# KiCad board ISA adapter.kicad_pcb
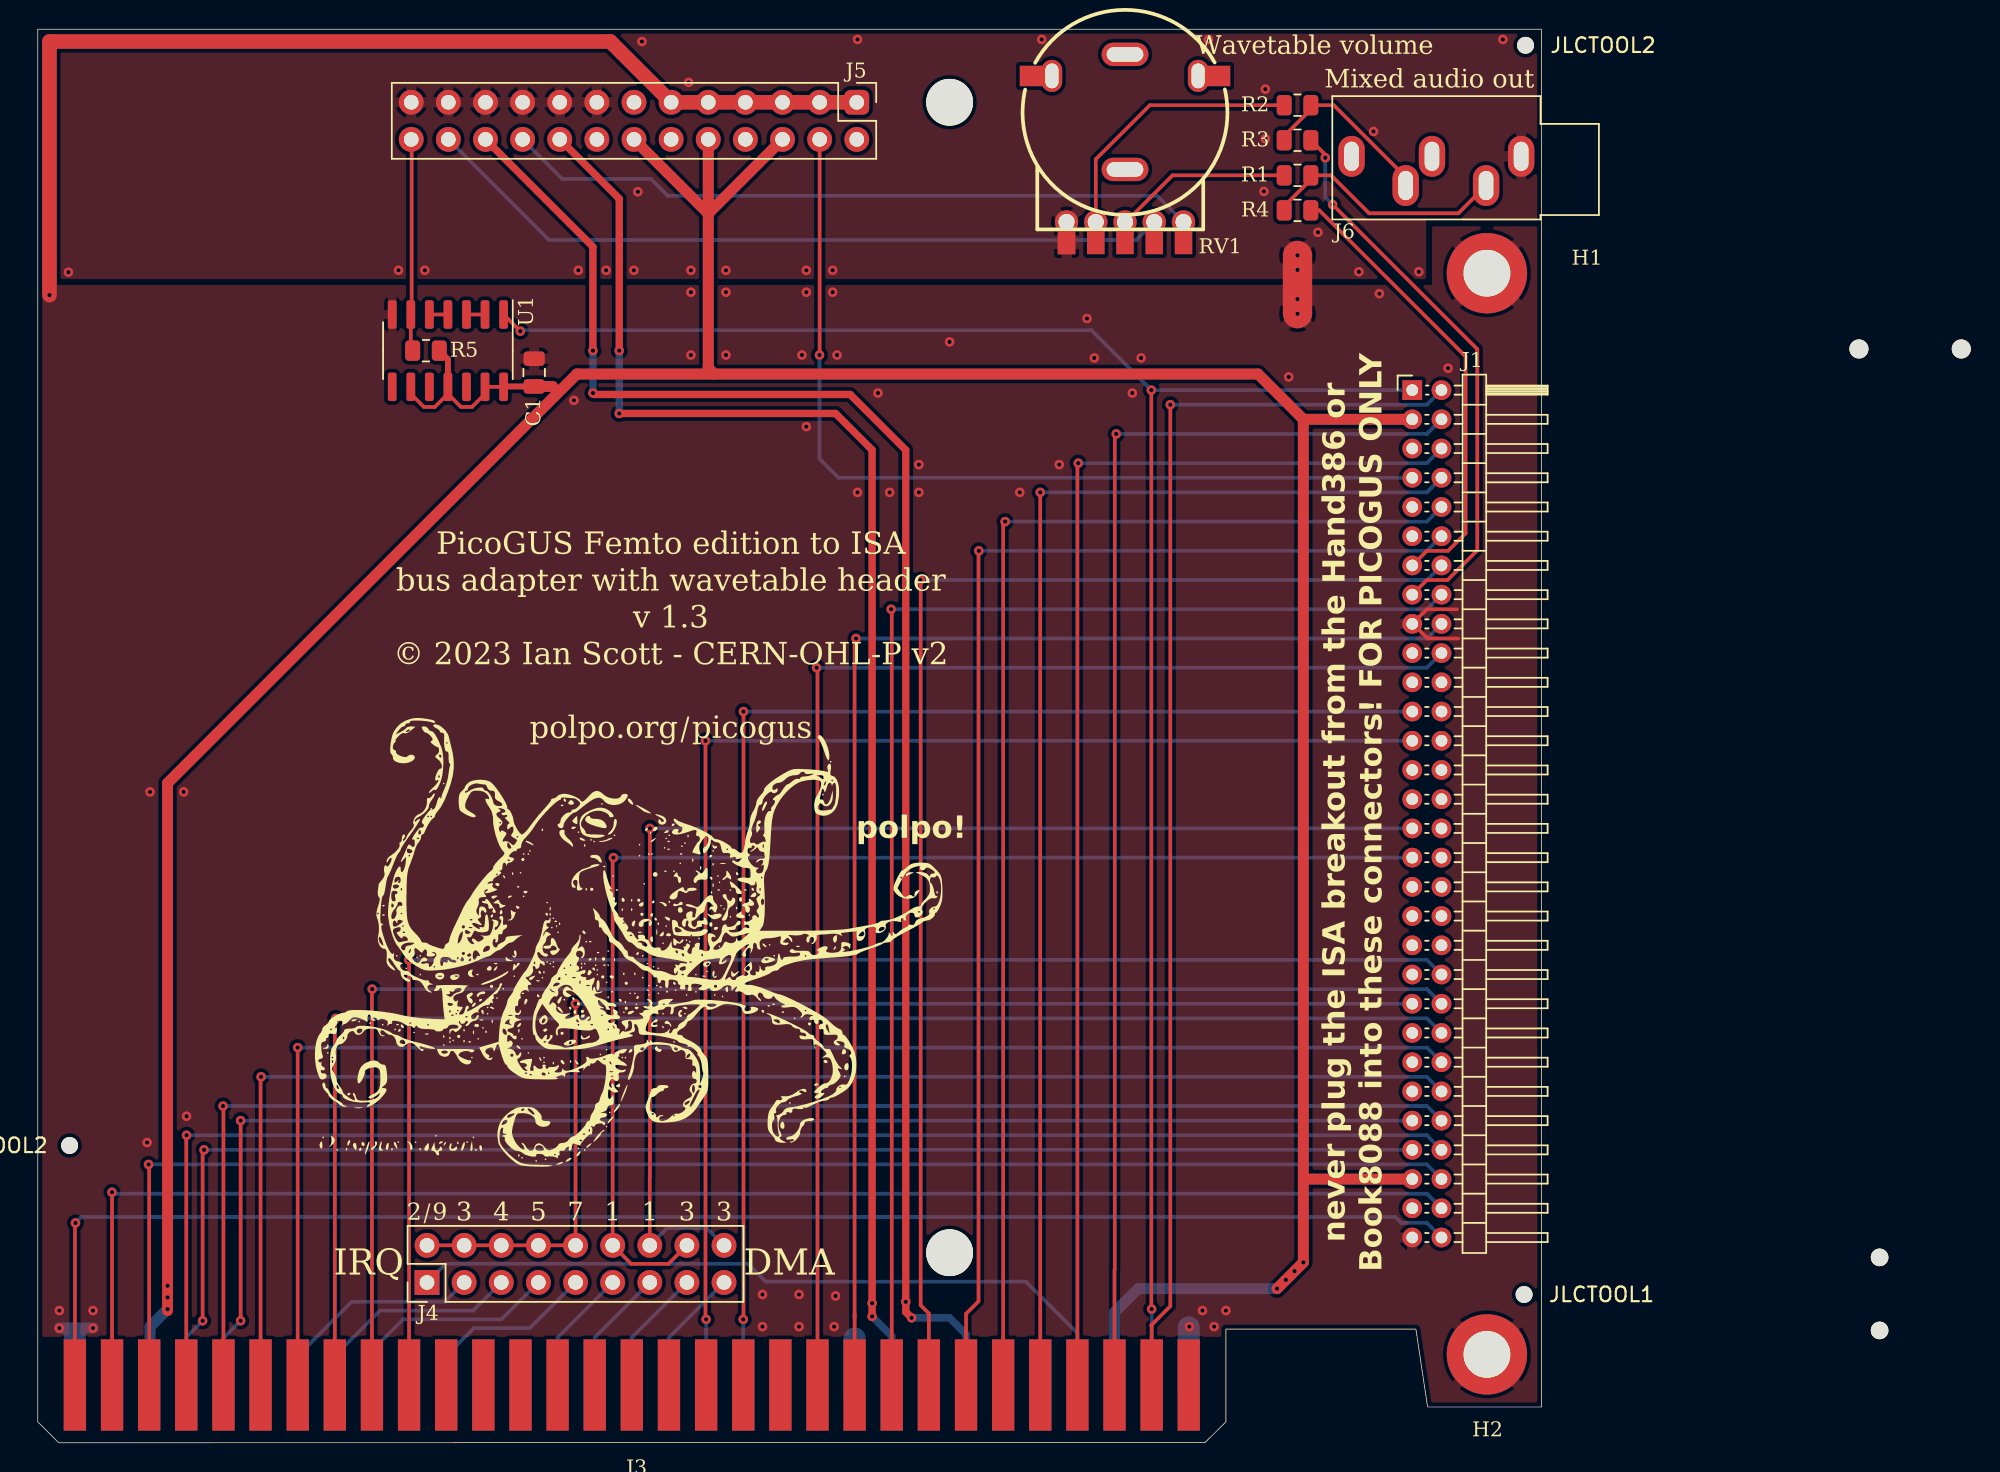
[diagram p0: board, top side]
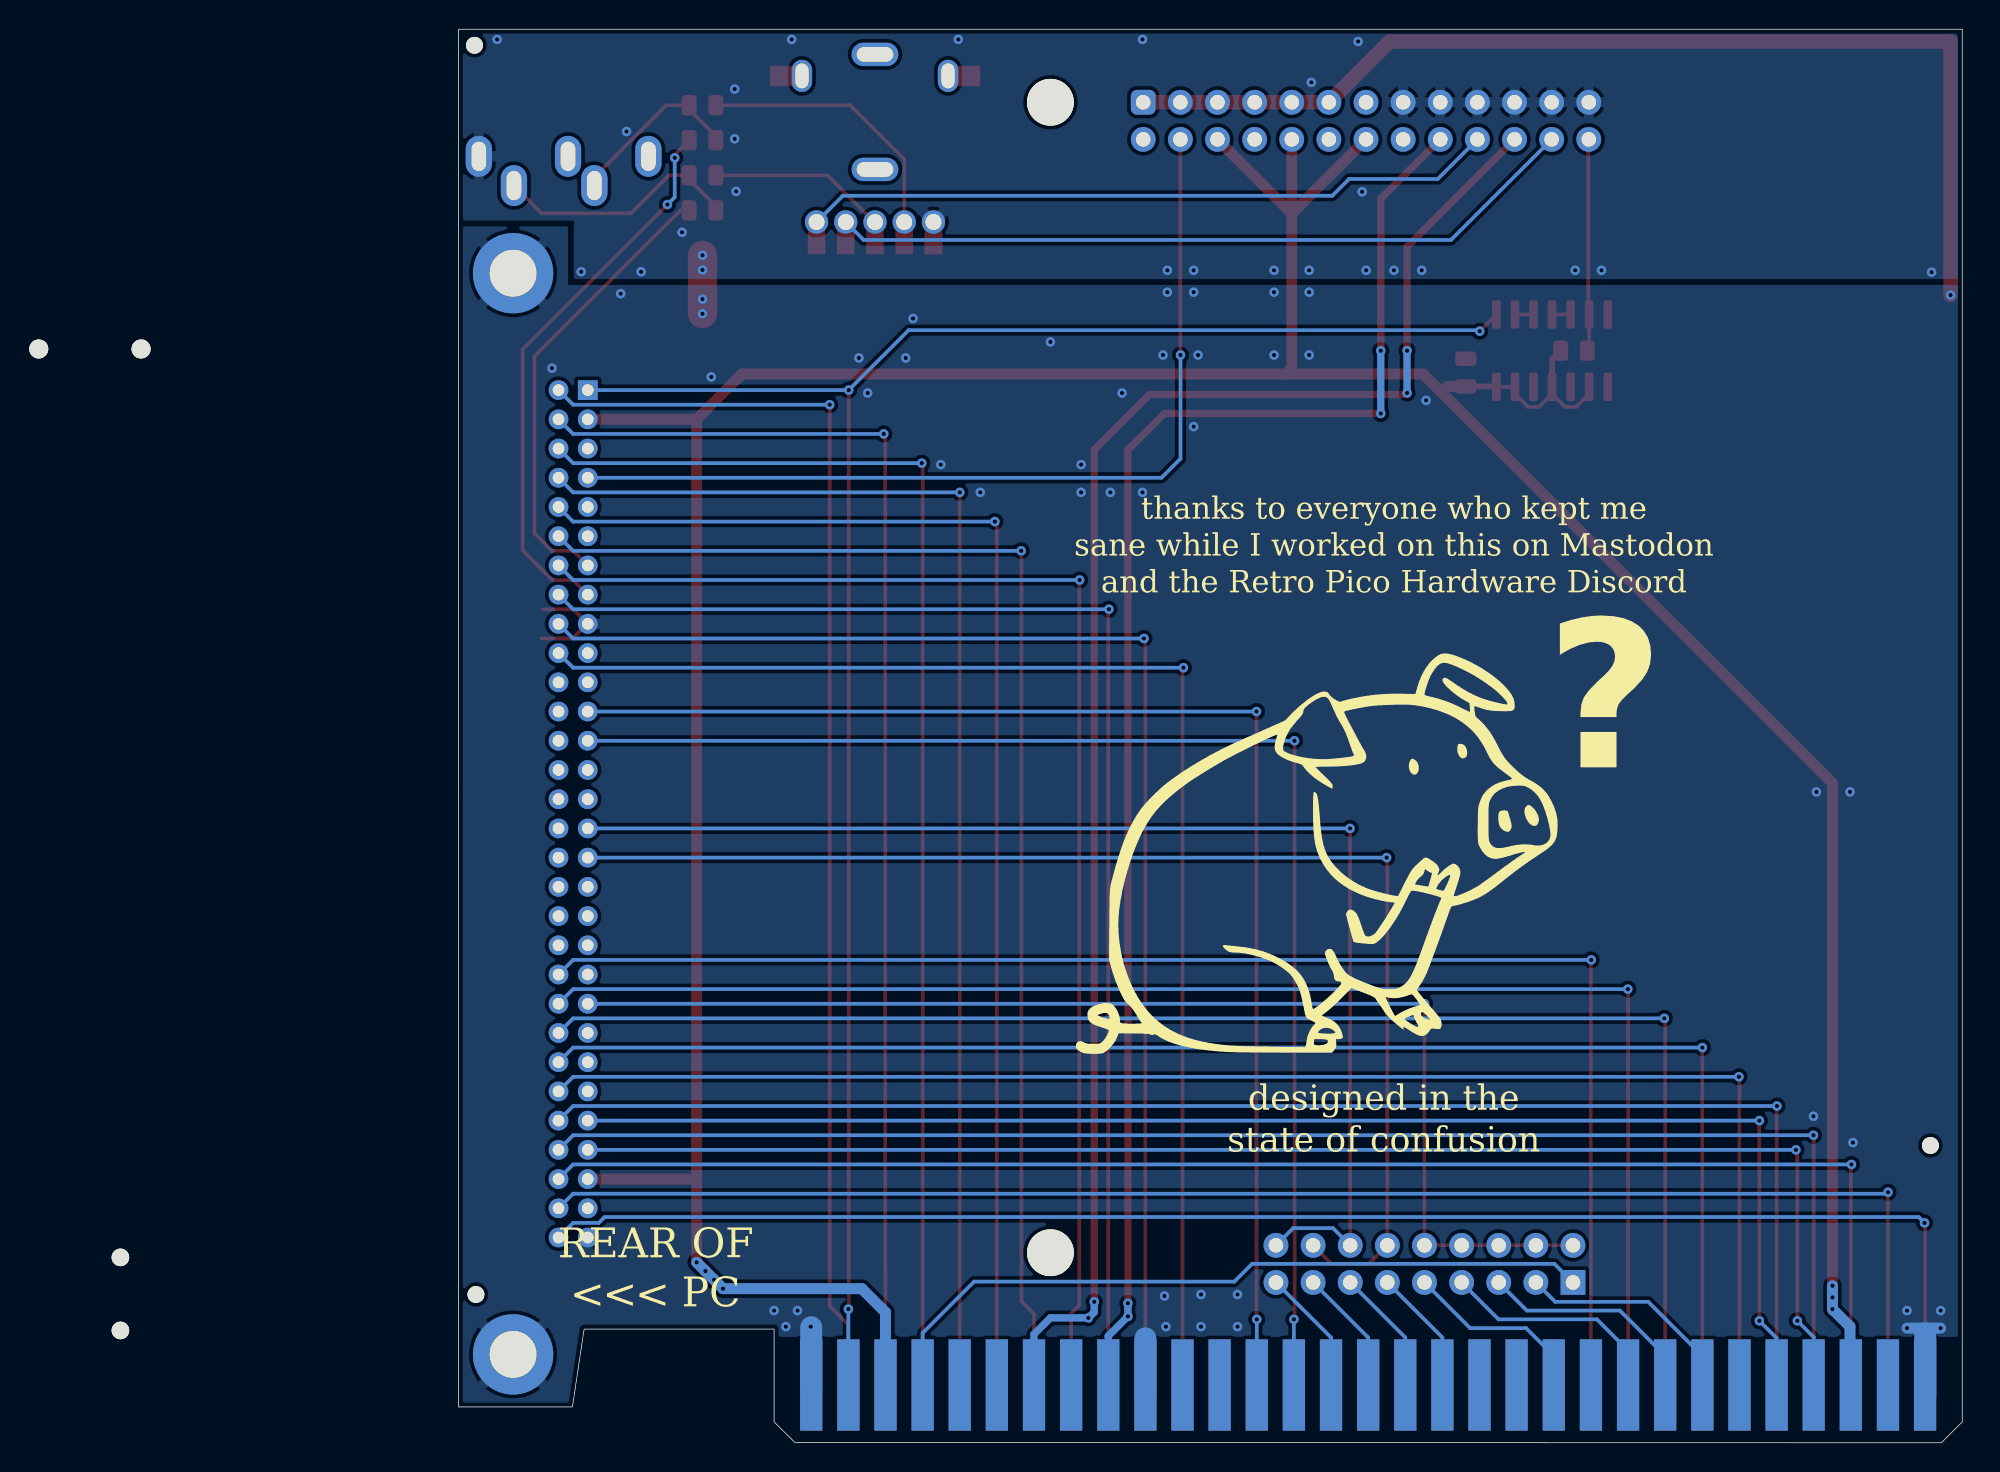
[diagram p1: board, bottom side, seen from below]

Outline 102.88 x 96.75 mm; copper layers: Top, Bottom. Coordinates in mm from the lower left corner of the outline.
Outline path: 102.88,2.45 95.08,2.45 94.28,7.78 81.28,7.78 81.28,1.43 79.85,0.02 1.43,0 0,1.43 0,7.78 0,16.35 0,96.75 102.87,96.75 closed
Stack: Top 0.035mm / dielectric 1.51mm FR4 er 4.5 / Bottom 0.035mm

## Placement (name value [footprint] x y rotation side)
C1  100nF  [C_0805_2012Metric]  33.96 73.25 90 top
H1  MountingHole_3.2mm_M3_Pad  [MountingHole_3.2mm_M3_ISO14580_Pad]  99.14 80.05 0 top
H2  MountingHole_3.2mm_M3_Pad  [MountingHole_3.2mm_M3_ISO14580_Pad]  99.14 6.05 0 top
J1  Conn_02x30_Odd_Even  [Hand386_PicoGUS]  94.03 72.05 0 top
J3  Bus_ISA_8bit  [BUS_PC]  40.64 4.03 0 top
J4  IRQDMA_JP  [PinHeader_2x09_P2.54mm_Vertical]  26.63 10.97 90 top
J5  -  [Wavetable]  56.03 91.65 0 top
J6  AudioJack3  [Jack_3.5mm_CUI_SJ1-3535NG_Horizontal]  101.48 88.05 270 top
JLCTOOL1  -  [JLCPCB-tooling]  101.68 10.15 0 top
JLCTOOL2  -  [JLCPCB-tooling]  101.78 95.65 0 top
JLCTOOL2#2  -  [JLCPCB-tooling]  2.18 20.35 0 top
NT1  NetTie_2  [NetTie-2_SMD_Pad2.0mm]  86.18 79.27 90 top
R1  1K  [R_0805_2012Metric]  86.18 86.75 0 top
R2  1K  [R_0805_2012Metric]  86.18 91.55 0 top
R3  1K  [R_0805_2012Metric]  86.18 89.15 0 top
R4  1K  [R_0805_2012Metric]  86.18 84.35 0 top
R5  bodge  [R_0805_2012Metric]  26.56 74.75 0 top
RV1  10K  [RK10J12R0A0B]  74.38 91.09 0 top
U1  74HC14  [SOIC-14_3.9x8.7mm_P1.27mm]  28.06 74.75 270 top

## Library data of the parts
C1 = -: ki_fp_filters: C_*
H1 H2 = -: ki_fp_filters: MountingHole*Pad*
J1 J4 J5 = -: ki_fp_filters: Connector*:*_2x??_*
J3 = -: Datasheet: https://en.wikipedia.org/wiki/Industry_Standard_Architecture
J6 = -: ki_fp_filters: Jack*
NT1 = -: Description: Net tie, 2 pins
R1-R4 = -: ki_fp_filters: R_*
RV1 = -: ki_fp_filters: Potentiometer*
U1 = -: Datasheet: http://www.ti.com/lit/gpn/sn74HC14; ki_fp_filters: DIP*W7.62mm*

## Footprints (pads in the part's own frame, mm; a bottom-side part is the same pattern mirrored in y, then rotated)
BUS_PC
  rect 1.524x6.248 smd far side: 1(38.1,-0.076) 2(35.56,-0.076) 3(33.02,-0.076) 4(30.48,-0.076) 5(27.94,-0.076) 6(25.4,-0.076) 7(22.86,-0.076) 8(20.32,-0.076) 9(17.78,-0.076) 10(15.24,-0.076) 11(12.7,-0.076) 12(10.16,-0.076) 13(7.62,-0.076) 14(5.08,-0.076) 15(2.54,-0.076) 16(0,-0.076) 17(-2.54,-0.076) 18(-5.08,-0.076) 19(-7.62,-0.076) 20(-10.16,-0.076) 21(-12.7,-0.076) 22(-15.24,-0.076) 23(-17.78,-0.076) 24(-20.32,-0.076) 25(-22.86,-0.076) 26(-25.4,-0.076) 27(-27.94,-0.076) 28(-30.48,-0.076) 29(-33.02,-0.076) 30(-35.56,-0.076) 31(-38.1,-0.076)
  rect 1.524x6.248 smd: 32(38.1,-0.076) 33(35.56,-0.076) 34(33.02,-0.076) 35(30.48,-0.076) 36(27.94,-0.076) 37(25.4,-0.076) 38(22.86,-0.076) 39(20.32,-0.076) 40(17.78,-0.076) 41(15.24,-0.076) 42(12.7,-0.076) 43(10.16,-0.076) 44(7.62,-0.076) 45(5.08,-0.076) 46(2.54,-0.076) 47(0,-0.076) 48(-2.54,-0.076) 49(-5.08,-0.076) 50(-7.62,-0.076) 51(-10.16,-0.076) 52(-12.7,-0.076) 53(-15.24,-0.076) 54(-17.78,-0.076) 55(-20.32,-0.076) 56(-22.86,-0.076) 57(-25.4,-0.076) 58(-27.94,-0.076) 59(-30.48,-0.076) 60(-33.02,-0.076) 61(-35.56,-0.076) 62(-38.1,-0.076)
C_0805_2012Metric
  rrect 1x1.45 smd: 1(-0.95,0) 2(0.95,0)
Hand386_PicoGUS
  round 1.3 hole 1.3 unplated: (30.558,2.815) (37.558,2.815)
  round 1.2 hole 1.2 unplated: (31.971,-59.36) (31.971,-64.36)
  rect 1.35x1.35 hole 0.8: 1(0,0)
  oval 1.35x1.35 hole 0.8: 2(2,0) 3(0,-2) 4(2,-2) 5(0,-4) 6(2,-4) 7(0,-6) 8(2,-6) 9(0,-8) 10(2,-8) 11(0,-10) 12(2,-10) 13(0,-12) 14(2,-12) 15(0,-14) 16(2,-14) 17(0,-16) 18(2,-16) 19(0,-18) 20(2,-18) 21(0,-20) 22(2,-20) 23(0,-22) 24(2,-22) 25(0,-24) 26(2,-24) 27(0,-26) 28(2,-26) 29(0,-28) 30(2,-28) 31(0,-30) 32(2,-30) 33(0,-32) 34(2,-32) 35(0,-34) 36(2,-34) 37(0,-36) 38(2,-36) 39(0,-38) 40(2,-38) 41(0,-40) 42(2,-40) 43(0,-42) 44(2,-42) 45(0,-44) 46(2,-44) 47(0,-46) 48(2,-46) 49(0,-48) 50(2,-48) 51(0,-50) 52(2,-50) 53(0,-52) 54(2,-52) 55(0,-54) 56(2,-54) 57(0,-56) 58(2,-56) 59(0,-58) 60(2,-58)
Jack_3.5mm_CUI_SJ1-3535NG_Horizontal
  oval 2.8x1.8 hole 2x1: R(2,-7.9) RN(0,-6.1) S(0,0) T(2,-2.4) TN(0,-11.6)
JLCPCB-tooling
  round 1.3 hole 1.152 unplated: (0,0)
MountingHole_3.2mm_M3_ISO14580_Pad
  round 5.5 hole 3.2: 1(0,0)
NetTie-2_SMD_Pad2.0mm
  round 2 smd: 1(-2,0) 2(2,0)
PinHeader_2x09_P2.54mm_Vertical
  rect 1.7x1.7 hole 1: 1(0,0)
  oval 1.7x1.7 hole 1: 2(2.54,0) 3(0,-2.54) 4(2.54,-2.54) 5(0,-5.08) 6(2.54,-5.08) 7(0,-7.62) 8(2.54,-7.62) 9(0,-10.16) 10(2.54,-10.16) 11(0,-12.7) 12(2.54,-12.7) 13(0,-15.24) 14(2.54,-15.24) 15(0,-17.78) 16(2.54,-17.78) 17(0,-20.32) 18(2.54,-20.32)
R_0805_2012Metric
  rrect 1.025x1.4 smd: 1(-0.912,0) 2(0.912,0)
RK10J12R0A0B
  round 1.6 hole 1.1: 1(2,-7.536) 2(0,-7.536) 3(-4,-7.536) 4(4,-7.536) 5(-2,-7.536)
  rect 1.2x1.868 smd: 1(2,-8.808) 3(-4,-8.808) 5(-2,-8.808)
  rect 1.2x1.842 smd: 2(0,-8.821)
  rect 1.2x1.893 smd: 4(4,-8.795)
  rect 1.2x1.4 smd: 6(-4,-9.042)
  rect 2.2x1.4 smd: MP(-6.1,2.458) MP(6.1,2.458)
  oval 1.4x2.2 hole 0.9x1.7: MP(-5,2.464) MP(5,2.464)
  oval 3.2x1.6 hole 2.5x1: MP(0,3.937) MP(0,-3.937)
SOIC-14_3.9x8.7mm_P1.27mm
  rrect 1.95x0.6 smd: 1(-2.475,3.81) 2(-2.475,2.54) 3(-2.475,1.27) 4(-2.475,0) 5(-2.475,-1.27) 6(-2.475,-2.54) 7(-2.475,-3.81) 8(2.475,-3.81) 9(2.475,-2.54) 10(2.475,-1.27) 11(2.475,0) 12(2.475,1.27) 13(2.475,2.54) 14(2.475,3.81)
Wavetable
  round 3.2 hole 3.2 unplated: (6.35,0.097) (6.35,-78.643)
  rrect 1.7x1.7 hole 1: 1(0,0.097)
  oval 1.7x1.7 hole 1: 2(0,-2.443) 3(-2.54,0.097) 4(-2.54,-2.443) 5(-5.08,0.097) 6(-5.08,-2.443) 7(-7.62,0.097) 8(-7.62,-2.443) 9(-10.16,0.097) 10(-10.16,-2.443) 11(-12.7,0.097) 12(-12.7,-2.443) 13(-15.24,0.097) 14(-15.24,-2.443) 15(-17.78,0.097) 16(-17.78,-2.443) 17(-20.32,0.097) 18(-20.32,-2.443) 19(-22.86,0.097) 20(-22.86,-2.443) 21(-25.4,0.097) 22(-25.4,-2.443) 23(-27.94,0.097) 24(-27.94,-2.443) 25(-30.48,0.097) 26(-30.48,-2.443)

## Nets
+5V: C1.1 J1.3 J1.55 J3.3 J3.29 J5.6 J5.10 J5.14 R5.2 U1.9 U1.11 U1.13 U1.14
+12V: J3.9 J5.18
-12V: J3.7 J5.22
GND: C1.2 H1.1 H2.1 J1.17 J1.59 J3.1 J3.10 J3.31 J5.1 J5.3 J5.5 J5.7 J5.9 J5.11 NT1.1 U1.7
GNDS: J5.15 J5.17 J5.19 J5.21 J5.23 J5.25 J6.S NT1.2 RV1.3 RV1.6
/ALE: J1.53 J3.28
A0: J1.60 J3.62
A1: J1.58 J3.61
A2: J1.56 J3.60
A3: J1.54 J3.59
A4: J1.52 J3.58
A5: J1.50 J3.57
A6: J1.48 J3.56
A7: J1.46 J3.55
A8: J1.44 J3.54
A9: J1.42 J3.53
AEN: J1.20 J3.42
D0: J1.16 J3.40
D1: J1.14 J3.39
D2: J1.12 J3.38
D3: J1.10 J3.37
D4: J1.8 J3.36
D5: J1.6 J3.35
D6: J1.4 J3.34
D7: J1.2 J3.33
DACK: J1.31 J4.14 J4.18
DACK1: J3.17 J4.13
DACK3: J3.15 J4.17
DRQ: J1.33 J4.12 J4.16
DRQ1: J3.18 J4.11
DRQ3: J3.16 J4.15
I/OCHRDY: J1.18 J3.41
IRQ: J1.43 J4.2 J4.4 J4.6 J4.8 J4.10
IRQ2: J3.4 J4.1
IRQ3: J3.25 J4.3
IRQ4: J3.24 J4.5
IRQ5: J3.23 J4.7
IRQ7: J3.21 J4.9
MIDI_TTL: J1.7 J5.4
PGAUDIO_L: J1.13 R4.2
PGAUDIO_R: J1.15 R3.2
RESET: J1.1 J3.2 U1.1
TC: J1.51 J3.27
WTAUDIO_L: J5.24 RV1.1
WTAUDIO_R: J5.20 RV1.4
~{IOR}: J1.25 J3.14
~{IOW}: J1.23 J3.13
~{RESET}: J5.26 R5.1 U1.6
Net-(J6-PadR): J6.R R2.2 R3.1
Net-(J6-PadT): J6.T R1.2 R4.1
Net-(R1-Pad1): R1.1 RV1.2
Net-(R2-Pad1): R2.1 RV1.5
Net-(U1-Pad2): U1.2 U1.3
Net-(U1-Pad4): U1.4 U1.5

Pads without a net: J1 5 9 11 19 21 22 24 26 27 28 29 30 32 34 35 36 37 38 39 40 41 45 47 49 57; J3 5 6 8 11 12 19 20 22 26 30 32 43 44 45 46 47 48 49 50 51 52; J5 2 8 12 13 16; J6 RN TN; RV1 MP; U1 8 10 12

## Via types
v1: diameter 0.65, hole 0.3, Top to Bottom, 124 vias

## Routing (per net, layer and track width the routed paths; a pad name or vN(x,y) marks a point on that pad's centre or on a via; arc(x,y) is an arc through that point)
+5V: length 273.1
  Top w0.25: 25.52,71.79 26.41,70.9 27.17,70.9 28.06,71.79 28.95,70.9 29.71,70.9 30.6,71.79 ; U1.13 U1.14
  Top w0.4: U1.11 28.06,74.16 R5.2 ; C1.1 31.89,72.3
  Top w0.75: J5.10 45.87,73.56 46.28,73.15 ; 46.28,73.15 36.88,73.15 8.88,45.15 8.88,9.05 ; 46.28,73.15 83.48,73.15 86.58,70.05 ; 86.6,18.05 93.95,18.05 ; 35.23,72.3 C1.1 ; J5.14 45.87,84.13 J5.6 ; 86.58,70.05 v1(86.58,12.35) v1(84.78,10.55) ; 86.58,70.05 J1.3
  Bottom w0.75: 7.68,4.01 7.68,7.95 v1(8.88,9.15) v1(8.88,10.75) ; v1(86.58,12.35) v1(85.98,11.75) v1(85.38,11.15) v1(84.78,10.55) 75.28,10.55 73.66,8.93 73.66,3.65
  vias: v1(8.88,9.95)
+12V: length 104.2
  Top w0.5: 35.72,89.21 39.78,85.15 v1(39.78,74.75) ; v1(39.78,70.45) 54.58,70.45 57.08,67.95 v1(57.08,8.65)
  Bottom w0.5: v1(39.78,70.45) v1(39.78,74.75) ; J3.9 58.42,7.31 v1(57.08,8.65) v1(57.08,9.55)
-12V: length 111.9
  Top w0.5: v1(37.98,71.85) 38.08,71.75 55.58,71.75 59.38,67.95 59.38,8.95 v1(59.78,8.55) ; J5.22 37.98,81.86 v1(37.98,74.75)
  Bottom w0.5: v1(59.38,9.65) 59.38,8.95 v1(59.78,8.55) 62.38,8.55 63.5,7.43 J3.7 ; v1(37.98,71.85) v1(37.98,74.75)
GND: length 98.7
  Top w0.25: 94.08,56.05 95.08,55.05 97.18,55.05 ; 97.08,57.05 95.03,57.05 J1.17
  Top w1: v1(0.8,78.55) 0.8,95.91 39.17,95.91 J5.11 J5.1
  Bottom w0.4: 78.74,7.91 v1(78.78,7.95)
  Bottom w0.75: v1(1.48,7.85) 2.4,7.85 2.7,7.56 2.7,6.63 ; v1(3.78,7.85) 2.68,7.85 2.54,7.71 2.54,6.51
  Bottom w1.5: 78.74,3.65 78.74,7.91 ; 2.53,3.24 2.53,7.5 ; 55.88,3.12 55.88,7.15
  vias: v1(1.48,9.05) v1(3.78,9.05) v1(7.48,20.55) v1(7.68,44.55) v1(9.98,44.55) v1(10.18,22.35) v1(36.68,71.35) v1(44.68,78.75) v1(44.68,74.45) v1(47.08,78.75) v1(47.08,74.45) v1(49.58,10.15) v1(49.58,7.95) v1(52.08,10.15) v1(52.08,7.95) v1(52.28,74.45) v1(52.58,78.75) v1(52.58,69.55) v1(54.38,78.75) v1(54.48,7.95) v1(54.58,10.05) v1(54.68,74.45) v1(56.08,65.05) v1(57.48,71.85) v1(58.28,65.05) v1(60.28,66.95) v1(60.28,65.05) v1(62.38,75.35) v1(67.18,65.05) v1(69.88,66.95) v1(71.78,76.95) v1(72.28,74.25) v1(74.88,71.85) v1(75.48,74.25) v1(79.68,9.05) v1(80.48,7.95) v1(81.28,9.05) v1(85.58,72.95) v1(86.18,78.27) v1(86.18,77.27) v1(91.78,78.65) v1(96.48,73.55)
GNDS:
  vias: v1(2.1,80.12) v1(24.68,80.25) v1(26.48,80.25) v1(36.98,80.25) v1(38.88,80.25) v1(40.78,80.25) v1(41.05,85.62) v1(41.33,95.91) v1(44.53,93.11) v1(44.68,80.25) v1(47.08,80.25) v1(52.58,80.25) v1(54.38,80.25) v1(56.08,96.05) v1(68.68,96.05) v1(80.08,96.05) v1(83.88,85.65) v1(83.98,92.65) v1(83.98,89.25) v1(86.18,81.27) v1(86.18,80.27) v1(87.58,82.85) v1(90.38,80.15) v1(91.38,89.75) v1(94.48,80.15) v1(100.23,96.05)
/ALE: length 99.2
  Top w0.25: v1(11.38,20.05) 11.28,19.95 v1(11.28,8.35)
  Bottom w0.25: J1.53 v1(11.38,20.05) ; v1(11.28,8.35) 10.16,7.23 J3.28
A0: length 105.3
  Top w0.25: v1(2.58,15.05) 2.54,15.01 J3.62
  Bottom w0.25: v1(2.58,15.05) 2.98,15.45 92.88,15.45 93.28,15.05 95.03,15.05 J1.60
A1: length 104.7
  Top w0.25: v1(5.08,17.15) 5.08,17.15 J3.61
  Bottom w0.25: J1.58 95.03,17.05 5.18,17.05 v1(5.08,17.15) 5.08,17.05
A2: length 104
  Top w0.25: v1(7.58,19.05) 7.62,19.01 J3.60
  Bottom w0.25: v1(7.58,19.05) 95.03,19.05 J1.56
A3: length 103.4
  Top w0.25: v1(10.18,21.05) 10.16,21.03 J3.59
  Bottom w0.25: J1.54 95.03,21.05 v1(10.18,21.05)
A4: length 102.9
  Top w0.25: v1(12.68,23.05) 12.7,23.03 J3.58
  Bottom w0.25: J1.52 95.03,23.05 v1(12.68,23.05)
A5: length 102.3
  Top w0.25: J3.57 15.24,25.01 v1(15.28,25.05)
  Bottom w0.25: v1(15.28,25.05) 95.03,25.05 J1.50
A6: length 101.8
  Top w0.25: J3.56 17.78,27.05 v1(17.78,27.05)
  Bottom w0.25: J1.48 95.03,27.05 v1(17.78,27.05)
A7: length 101.2
  Top w0.25: v1(20.38,29.05) 20.32,28.99 J3.55
  Bottom w0.25: v1(20.38,29.05) 95.03,29.05 J1.46
A8: length 100.7
  Top w0.25: v1(22.88,31.05) 22.86,31.03 J3.54
  Bottom w0.25: J1.44 95.03,31.05 v1(22.88,31.05)
A9: length 100.2
  Top w0.25: J3.53 25.4,33.03 v1(25.38,33.05)
  Bottom w0.25: J1.42 95.03,33.05 v1(25.38,33.05)
AEN: length 92.3
  Top w0.25: J3.42 53.34,52.99 v1(53.28,53.05)
  Bottom w0.25: J1.20 95.03,53.05 v1(53.28,53.05)
D0: length 91.2
  Top w0.25: J3.40 58.42,57.01 v1(58.38,57.05)
  Bottom w0.25: v1(58.38,57.05) 95.03,57.05 J1.16
D1: length 91.4
  Top w0.25: J3.39 60.96,8.85 60.4,9.41 60.4,59.03 v1(60.38,59.05)
  Bottom w0.25: J1.14 95.03,59.05 v1(60.38,59.05)
D2: length 89.5
  Top w0.25: v1(64.38,61.05) 64.36,61.03 64.36,9.68 63.5,8.83 J3.38
  Bottom w0.25: v1(64.38,61.05) 95.03,61.05 J1.12
D3: length 89.2
  Top w0.25: 66.04,62.91 J3.37
  Bottom w0.25: v1(66.18,63.05) 95.03,63.05 J1.10
D4: length 89
  Top w0.25: J3.36 68.58,8.95 68.58,8.95 v1(68.58,65.05)
  Bottom w0.25: v1(68.58,65.05) 95.03,65.05 J1.8
D5: length 88.3
  Top w0.25: 71.12,66.99 J3.35
  Bottom w0.25: v1(71.18,67.05) 95.03,67.05 J1.6
D6: length 87.6
  Top w0.25: 73.66,11.83 J3.34 ; 73.68,68.95 73.68,11.85
  Bottom w0.25: J1.4 95.03,69.05 v1(73.78,69.05)
D7: length 86.6
  Top w0.25: J3.33 76.2,8.03 76.18,8.05 77.48,9.35 v1(77.48,71.05)
  Bottom w0.25: v1(77.48,71.05) 95.03,71.05 J1.2
DACK: length 86.7
  Top w0.25: J4.14 41.87,18.24 41.88,18.25 v1(41.88,42.05)
  Bottom w0.25: J4.18 45.77,14.69 43.04,14.69 J4.14 ; J1.31 v1(41.88,42.05)
DACK1: length 8.6
  Bottom w0.25: J4.13 38.1,7.21 J3.17
DACK3: length 8.6
  Bottom w0.25: J4.17 43.18,7.21 J3.15
DRQ: length 87.3
  Top w0.25: J4.16 43.14,12.25 40.59,12.25 J4.12 39.33,40 v1(39.38,40.05)
  Bottom w0.25: v1(39.38,40.05) J1.33
DRQ1: length 8.6
  Bottom w0.25: J3.18 35.56,7.21 J4.11
DRQ3: length 8.6
  Bottom w0.25: J4.15 40.64,7.21 J3.16
I/OCHRDY: length 91.8
  Top w0.25: 55.88,54.95 55.88,8.55 ; 55.88,8.85 J3.41
  Bottom w0.25: v1(55.98,55.05) 95.03,55.05 J1.18
IRQ: length 83.9
  Top w0.25: J4.2 J4.10 36.79,30.04 v1(36.78,30.05)
  Bottom w0.25: J1.43 v1(36.78,30.05)
IRQ2: length 50.5
  Bottom w0.25: J3.4 71.12,7.51 67.6,11.03 49.8,11.03 48.58,12.25 27.9,12.25 J4.1
IRQ3: length 13.5
  Bottom w0.25: 17.78,5.95 21.48,9.65 27.84,9.65 J4.3
IRQ4: length 13.5
  Bottom w0.25: 20.32,5.95 23.42,9.05 29.78,9.05 J4.5
IRQ5: length 13.3
  Bottom w0.25: 22.86,6.32 24.99,8.45 31.72,8.45 J4.7
IRQ7: length 10.9
  Bottom w0.25: J4.9 33.66,7.85 29.84,7.85 27.94,5.95
MIDI_TTL: length 63
  Top w0.25: v1(53.48,74.45) 53.49,74.46 J5.4
  Bottom w0.25: J1.7 54.78,66.05 53.48,67.35 v1(53.48,74.45)
PGAUDIO_L: length 31.4
  Top w0.25: R4.2 87.68,84.35 97.68,74.35 97.68,62.25 96.48,61.05 95.03,61.05 J1.13
PGAUDIO_R: length 38.5
  Top w0.25: v1(88.58,84.75) 98.48,74.85 98.48,61.08 96.44,59.05 95.03,59.05 J1.15 ; R3.2 88.08,88.16 v1(88.08,87.95)
  Bottom w0.25: v1(88.08,87.95) 88.08,85.25 v1(88.58,84.75)
RESET: length 132.5
  Top w0.25: v1(76.2,9.15) 76.18,9.17 v1(76.18,72.05) ; v1(33.01,76.08) U1.1
  Bottom w0.25: J1.1 v1(76.18,72.05) 72.08,76.15 33.08,76.15 v1(33.01,76.08) ; v1(76.2,9.15) J3.2
TC: length 98.7
  Top w0.25: v1(13.88,22.05) v1(13.88,8.35)
  Bottom w0.25: J3.27 12.7,7.17 v1(13.88,8.35) ; v1(13.88,22.05) J1.51
WTAUDIO_L: length 53.1
  Top w0.25: 76.38,82.05 76.38,83.55
  Bottom w0.25: 76.38,83.55 75.15,82.32 34.97,82.32 J5.24
WTAUDIO_R: length 49.1
  Top w0.25: 78.38,82.05 78.38,83.55
  Bottom w0.25: 78.38,83.55 76.58,85.35 43.1,85.35 41.95,86.5 35.88,86.5 J5.20
~{IOR}: length 92.5
  Top w0.25: v1(45.68,48.05) 45.68,8.49 v1(45.72,8.45)
  Bottom w0.25: J3.14 v1(45.72,8.45) ; J1.25 v1(45.68,48.05)
~{IOW}: length 91.8
  Top w0.25: v1(48.26,8.45) 48.28,8.47 v1(48.28,50.05)
  Bottom w0.25: v1(48.26,8.45) J3.13 ; J1.23 v1(48.28,50.05)
~{RESET}: length 14.2
  Top w0.25: 25.58,89.15 25.58,77.28 ; U1.6 25.52,74.88
Net-(J6-PadR): length 11.1
  Top w0.25: 85.27,89.44 87.09,91.26 ; R2.2 88.66,91.55 93.58,86.63
Net-(J6-PadT): length 16.4
  Top w0.25: J6.T 97.18,84.15 91.08,84.15 88.48,86.75 R1.2 ; 85.27,84.64 87.09,86.46
Net-(R1-Pad1): length 13.7
  Top w0.25: R1.1 77.63,86.75 74.38,83.5 74.38,82.05
Net-(R2-Pad1): length 19.8
  Top w0.25: 72.38,82.45 72.38,87.85 76.08,91.55 R2.1
Net-(U1-Pad2): length 1.3
  Top w0.25: U1.3 U1.2
Net-(U1-Pad4): length 1.3
  Top w0.25: U1.5 U1.4

## Copper pours and planes (outline as drawn; the poured copper is in the pictures)
GND on Top, Bottom: 94.28,2.35 94.28,7.25 -0.43,7.25 -0.42,79.25 95.38,79.25 95.38,83.26 104.67,83.26 104.28,2.35
GNDS on Top, Bottom: -4.65,79.65 -0.18,96.92 104.58,97.65 104.58,83.64 94.98,83.64 94.98,79.65

## Text on the board
B.Silkscreen: ? | thanks to everyone who kept me / sane while I worked on this on Mastodon / and the Retro Pico Hardware Discord | designed in the / state of confusion | REAR OF / <<< PC
User.Comments: BEVEL CARD EDGE
F.Silkscreen: 2/9 | Wavetable volume | Mixed audio out | 3 | 4 | 5 | 7 | 1 | PicoGUS Femto edition to ISA / bus adapter with wavetable header / v 1.3 / © 2023 Ian Scott - CERN-OHL-P v2 / polpo.org/picogus | polpo! | never plug the ISA breakout from the Hand386 or / Book8088 into these connectors! FOR PICOGUS ONLY | DMA | IRQ
